# Altium PCB Control_Board.Pcbdoc (part 2 of 2)
Units mil, origin at the board's own origin, x right, y up, seen from the top; angles counter-clockwise.
Board outline 2965.03 x 3148.15 mil, 4 copper layers (Power, PGND, A_signal, Digital_signal), stack 23.756 mil thick; 180 components, 104 nets, 630 pads, 1414 vias.
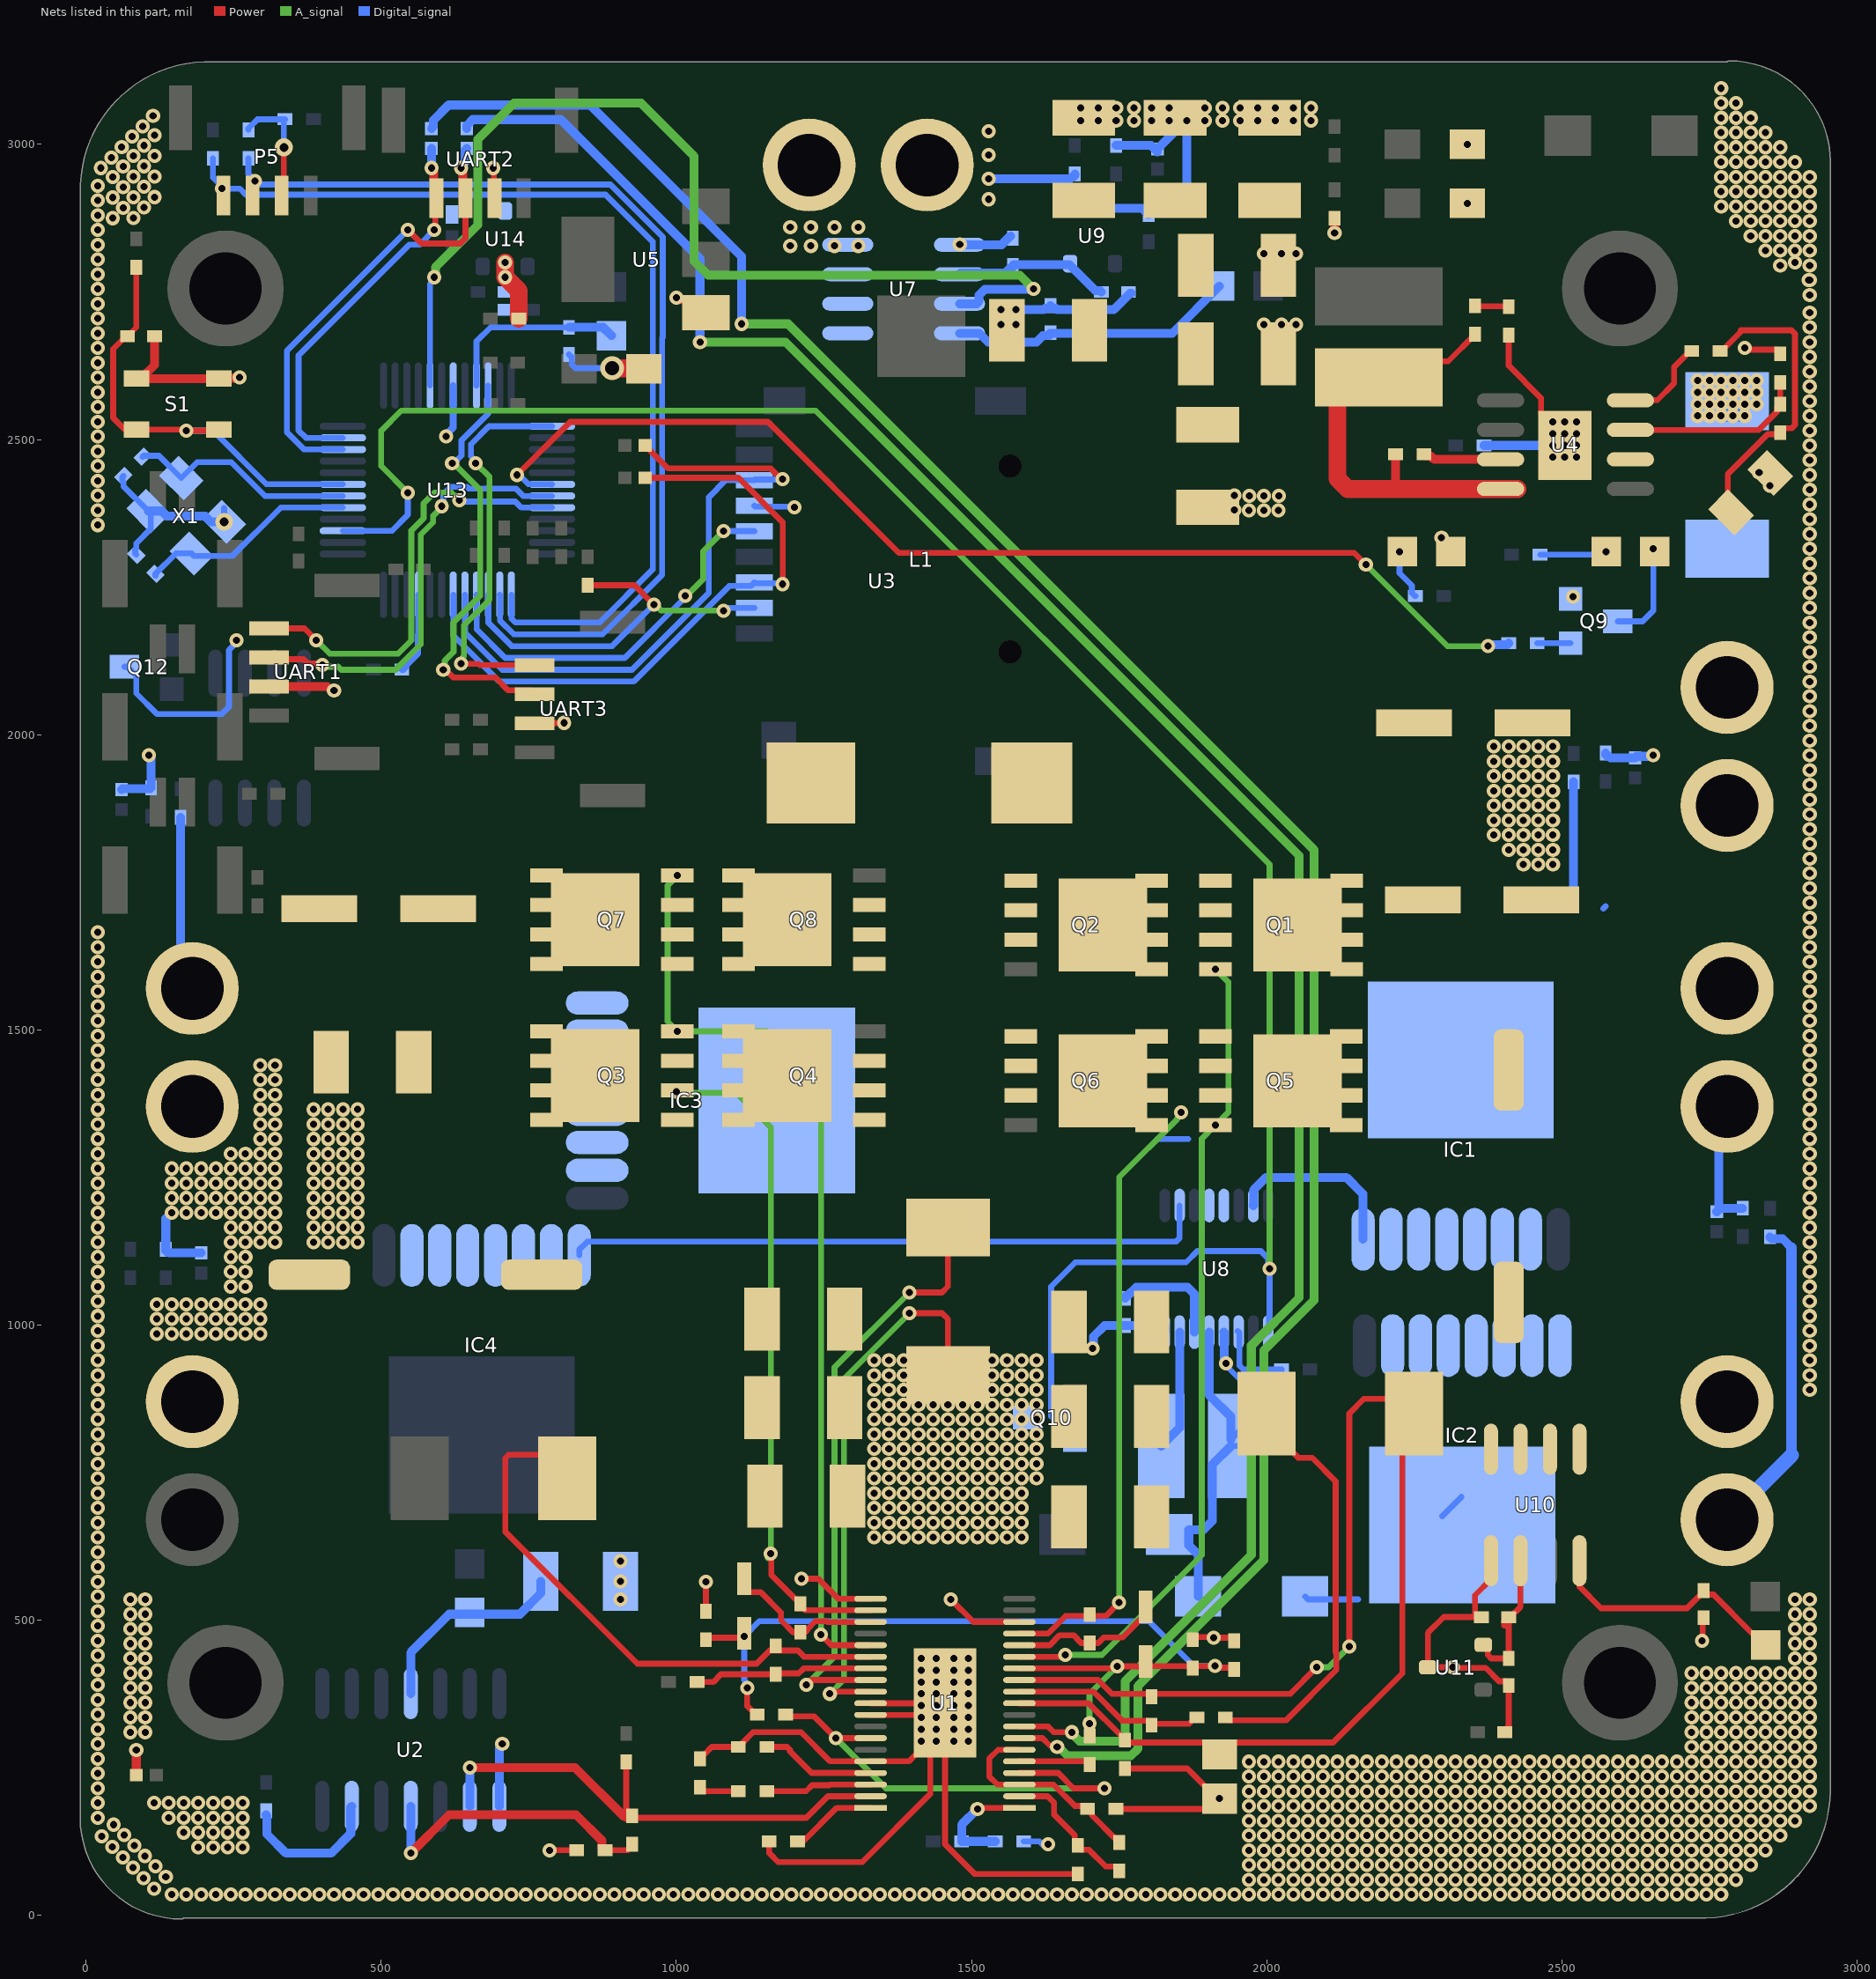
[diagram p4: the nets of this part, all layers, seen from the top]

## Via types
v1: diameter 24, hole 12, Power to Digital_signal, 1408 vias
v2: diameter 30, hole 15, Power to Digital_signal, 3 vias
v3: diameter 48, hole 32, Power to Digital_signal, 2 vias
v4: diameter 40, hole 24, Power to Digital_signal, 1 vias

## Nets (pads, with @x,y where several pads share a name; then routed paths per layer and width w, separated by ;. In a path a pad name is that pad's centre, name@x,y a point inside that pad or via, vN(x,y) a via of type N, cw(c..) or ccw(c..) an arc to the next point about the centre after c; other vN are vias at no path point) (continued)
GND: Battery_In.2 Boost_In.2 C2.1 C3.1 C4.1 C5.1 C6.1 C7.2 C11.1 C12.1 C13.2 C14.1 C15.1 C16.1 C17.1 C18.2 C19.2 C20.1 C21.1 C22.1 C23.2 C24.1 C25.2 C26.1 C27.1 C28.1 C30.2 C31.2 C32.2 C33.1 C34.2 C35.2 C36.2 C37.2 C39.1 C40.2 C41.1 C42.1 C43.1 C44.1 C45.1 C46.1 C47.1 C48.1 C49.1 C50.1 C51.1 C58.2 C59.1 C60.1 C61.1 C62.1 C63.2 C65.2 C66.1 C67.1 C68.1 C69.1 C70.1 C71.1 Cap.2 Chassis.2 Judge_In.2 LED3.2 P5.2 Q9.2 Q10.3 Q12.3 R2.1 R6.2 R8.1 R14.2 R17.1 R21.2 R27.2 R28.1 R29.1 R37.1 R47.1 R49.2 R51.2 R53.1 S1.1 To_Boost.2 U1.17 U1.20 U1.28 U1.29 U1.30 U1.34 U1.39 U2.1 U3.6 U4.9 U5.1 U7.5 U8.4 U8.8 U9.3 U10.5 U11.3 U13.19 U14.3 UART1.2 UART2.2 UART3.2 X1.2 X1.4 | length 8087.2
  Power w10: P5.2@331.26,2913.11 335,2916.85 v2(335,2995) ; v1(690,2960) 691,2959 691,2909.94 UART2.2@692.01,2908.93 ; UART3.2@760,2019.21 760.39,2019.61 809.61,2019.61 v1(810,2020) ; v1(785,110) R17.1@831.01,110 ; C4.1@1040,265 1040,267.5 1045,272.5 1047.5,272.5 1060,285 R8.1@1105,285 1107.5,285 1112.5,290 1112.5,292.5 1130,310 1211.26,310 1260.67,260.59 U1.34@1306.46,260.59 ; C41.1@1050,515 v1(1050,565) ; R2.1@1157.18,125 1157.18,105.32 1172.5,90 1315,90 1430,205 U1.39@1430,271.59 ; v1(1212,570) 1240,570 1273.82,536.18 U1.20@1329.02,536.18 ; v1(1260,375) 1263.79,375 1267.49,378.7 U1.28@1329.02,378.7 ; U1.34@1329.02,260.59 1393.7,260.59 1405.59,272.48 1406.85,272.48 U1.39@1430,295.63 ; U1.30@1329.02,339.33 U1.39@1434.33,339.33 ; U1.29@1329.02,359.02 U1.39@1421.22,359.02 ; v1(1395,1020) 1450,1020 1460,1010 R14.2@1460,915 ; U1.39@1422.2,360 U1.39@1421.22,359.02 ; U1.39@1423.95,339.33 U1.39@1421.22,359.02 ; U1.39@1433.33,271.59 1433.33,294.63 U1.39@1434.33,295.63 ; U1.39@1454.02,359.02 U1.39@1455,360 1455,120 1505,70 C3.1@1680,70 ; v1(1465,535) 1503.19,496.81 U1.17@1580.98,496.81 ; C2.1@1744.68,180 1896.06,180 1897.26,178.8 C6.1@1916.06,197.6 ; C5.1@1760,248.41 1865.25,248.41 C6.1@1916.06,197.6 ; C12.1@1875,471 v1@1910,471 ; v1(1910,470) 1940.16,470 1945,465.16 C11.1@1945,464.68 ; v1(1920,197.6) C6.1@1916.06,197.6 ; C62.1@2364,505 C62.1@2353,505 ; U10.5@2380,600.51 2380,569.02 2353,542.02 C62.1@2353,505 ; C60.1@2401,310 C60.1@2403.5,310 2408.5,315 2408.5,319.36 2410,320.86 C61.1@2410,389 ; C61.1@2410,391.36 2405,396.36 2393.64,396.36 2371,419 2316,419 v1(2315,420) U11.3@2273,420 2273,478 2300,505 C62.1@2353,505 ; C33.1@2410,2676.8 2410,2625.17 2464.72,2570.45 2464.72,2543.86 2478.58,2530 v1(2485,2530) ; U4.9@2478.58,2490 v1(2485,2490) ; v1(2737.5,465) 2738.75,466.25 2738.75,502.75 C59.1@2740,504 ; v1(2810,2655) 2812.68,2652.32 2865,2652.32 2870,2647.32 C35.2@2870,2645
  Power w15: R53.1@84.99,240.01 v1(85,280) ; S1.1@85.12,2603.3 S1.1@92.99,2603.3 ; C27.1@116,2675 116,2626.31 S1.1@92.99,2603.3 ; v1(260,2605) 259.15,2604.15 225.73,2604.15 S1.1@224.88,2603.3 S1.1@92.99,2603.3 ; UART1.2@310,2081.57 408.43,2081.57 415,2075 v1(420,2075) ; v1(1000,2740) 1002.44,2740 1004.94,2737.5 1027.5,2737.5 U5.1@1050,2715 ; v1(1575,2695) 1570,2700 1575,2705 v1(1575,2720) ; v1(2115,2850) R37.1@2115,2875
  Power w30: v1(710,2800) v1(710,2775) 733.15,2751.85 R28.1@733.15,2704.68 ; v4(891,2621) 891.5,2620.5 944.5,2620.5 C37.2@945,2620
  A_signal w10: v1(1260,375) 1284,399 1284,909 v1(1395,1020)
  Digital_signal w10: C25.2@63.18,2438.18 61.41,2436.41 61.41,2429.34 63.18,2427.57 63.18,2420.96 X1.2@105.3,2378.84 109.48,2374.66 109.48,2348.33 85,2323.85 85,2315.61 83.23,2313.84 83.23,2306.77 C23.2@85,2305 ; Q12.3@65,2115 70,2115 85,2100 85,2070 120,2035 230,2035 242,2047 242,2143.21 255,2156.21 v1(255,2160) ; v2(233.99,2360.45) X1.4@233.99,2383.97 ; R29.1@275,3024.69 275,3027.19 290.32,3042.5 C26.1@336.97,3042.5 335,3040.53 v2(335,2995) ; C36.2@818,2644 823,2639 823,2626.86 828.86,2621 v4(891,2621) ; U3.6@1132.09,2387.95 1133.55,2386.49 1198.74,2386.49 v1(1200.2,2385.02) ; R47.1@1588.2,125 1615,125 1620,120 v1(1630,120) ; C69.1@1811.85,2990.7 1813.66,2990.7 C69.1@1815,2992.04 ; v1@1933.66,928.54 1959.07,903.14 2000.36,903.14 2030,873.5 C47.1@2030,871 ; To_Boost.2@2768.19,1358.19 2768.19,1197.74 C66.1@2768.46,1197.74
  Digital_signal w12: v1(610,2505) 610,2508.25 622.01,2520.25 U13.19@622.01,2591.38
  Digital_signal w15: C71.1@60,1907.04 61.48,1908.52 108.52,1908.52 R51.2@107.5,1909.54 ; X1.2@105.3,2378.84 128.1,2378.84 136.94,2370 201.65,2370 211.19,2360.45 v2(233.99,2360.45) ; v1(106,1965) 106,1962.56 110,1958.56 R51.2@110,1910 ; v1(145,1190) 135,1180 R6.2@135,1128.2 135,1125.7 137.5,1123.2 140,1123.2 141.16,1122.04 C68.1@195,1122.04 ; U2.1@700,184.53 700,282.56 705,287.56 v1(705,290) ; v1(1480.11,2830.62) U7.5@1479.49,2830 1551,2830 C45.1@1566,2845 ; v1(1575,2720) 1622.46,2720 1624.46,2722 1631.25,2722 1633.75,2724.5 C43.1@1633.75,2727 ; C43.1@1635,2726 1635,2723.25 1636.25,2722 1643.04,2722 1645.04,2720 1741.07,2720 1768.57,2747.5 C46.1@1771,2747.5 ; v1(1705,960) 1706.72,961.72 1706.72,980.32 1725.4,999 C48.1@1760,999 1826.25,999 1827.5,997.75 U8.8@1827.5,987.72 ; U9.3@1705,2892 1788.71,2892 1794.71,2886 1797.5,2886 C44.1@1800,2883.5 ; R27.2@1745,2998.2 1804.35,2998.2 1811.85,2990.7 C69.1@1815,2987.55 ; C44.1@1800,2881 C44.1@1800,2883.5 ; C69.1@1815,2992.04 1815,2992.55 1860.73,3038.28 1863.28,3038.28 v1(1865,3040) ; v1@1864.51,3036.55 1864.51,2904.29 1846.21,2886 1802.5,2886 C44.1@1800,2883.5 ; U8.4@1927.5,987.72 1928.02,987.2 1928.02,940.39 1930.98,937.44 v1(1930.98,935) ; C34.2@2368.2,2490 2462.56,2490 2482.56,2510 v1(2485,2510) ; R49.2@2574.15,1968.78 2574.15,1966.28 2576.65,1963.78 2579.15,1963.78 2582.11,1960.82 C70.1@2624.15,1960.82 2626.6,1963.28 2653.28,1963.28 v1(2655,1965) ; C66.1@2762.56,1191.84 2765.69,1194.97 2765.69,1355.69 2768.19,1358.19 To_Boost.2@2780,1370 ; C66.1@2768.46,1197.74 R21.2@2806.45,1197.74
  other v1: 145,35 170,35 195,35 220,35 245,35 270,35 295,35 320,35 345,35 370,35 395,35 420,35 445,35 470,35 495,35 520,35 545,35 570,35 595,35 620,35 645,35 670,35 695,35 720,35 745,35 770,35 795,35 820,35 845,35 870,35 895,35 920,35 945,35 970,35 995,35 1020,35 1045,35 1070,35 1095,35 1120,35 1145,35 1170,35 1195,35 1220,35 1245,35 1270,35 1295,35 1320,35 1345,35 1370,35 1395,35 1420,35 1445,35 1470,35 1495,35 1520,35 1545,35 1570,35 1595,35 1620,35 1645,35 1670,35 1695,35 1720,35 1745,35 1770,35 1795,35 1820,35 1845,35 1870,35 1895,35 1920,35 1945,35 1970,35 1995,35 2020,35 2045,35 2070,35 2095,35 2120,35 2145,35 2170,35 2195,35 2220,35 2245,35 2270,35 2295,35 2320,35 2345,35 2370,35 2395,35 2420,35 2445,35 2470,35 2495,35 2520,35 2545,35 2570,35 2595,35 2620,35 2645,35 2670,35 2695,35 2720,35 2745,35 2770,35 115,45 1970,60 1995,60 2020,60 2045,60 2070,60 2095,60 2120,60 2145,60 2170,60 2195,60 2220,60 2245,60 2270,60 2295,60 2320,60 2345,60 2370,60 2395,60 2420,60 2445,60 2470,60 2495,60 2520,60 2545,60 2570,60 2595,60 2620,60 2645,60 2670,60 2695,60 2720,60 2745,60 2770,60 2795,60 97.32,62.68 135,65 79.64,80.36 117.32,82.68 1970,85 1995,85 2020,85 2045,85 2070,85 2095,85 2120,85 2145,85 2170,85 2195,85 2220,85 2245,85 2270,85 2295,85 2320,85 2345,85 2370,85 2395,85 2420,85 2445,85 2470,85 2495,85 2520,85 2545,85 2570,85 2595,85 2620,85 2645,85 2670,85 2695,85 2720,85 2745,85 2770,85 2795,85 2820,85 61.97,98.03 99.64,100.36 1970,110 1995,110 2020,110 2045,110 2070,110 2095,110 2120,110 2145,110 2170,110 2195,110 2220,110 2245,110 2270,110 2295,110 2320,110 2345,110 2370,110 2395,110 2420,110 2445,110 2470,110 2495,110 2520,110 2545,110 2570,110 2595,110 2620,110 2645,110 2670,110 2695,110 2720,110 2745,110 2770,110 2795,110 2820,110 2845,110 190,115 215,115 240,115 265,115 44.29,115.71 81.97,118.03 26.61,133.39 1970,135 1995,135 2020,135 2045,135 2070,135 2095,135 2120,135 2145,135 2170,135 2195,135 2220,135 2245,135 2270,135 2295,135 2320,135 2345,135 2370,135 2395,135 2420,135 2445,135 2470,135 2495,135 2520,135 2545,135 2570,135 2595,135 2620,135 2645,135 2670,135 2695,135 2720,135 2745,135 2770,135 2795,135 2820,135 2845,135 2870,135 64.29,135.71 165,140 190,140 215,140 240,140 265,140 46.61,153.39 1970,160 1995,160 2020,160 2045,160 2070,160 2095,160 2120,160 2145,160 2170,160 2195,160 2220,160 2245,160 2270,160 2295,160 2320,160 2345,160 2370,160 2395,160 2420,160 2445,160 2470,160 2495,160 2520,160 2545,160 2570,160 2595,160 2620,160 2645,160 2670,160 2695,160 2720,160 2745,160 2770,160 2795,160 2820,160 2845,160 2870,160 2895,160 20,165 140,165 165,165 190,165 215,165 240,165 265,165 1970,185 1995,185 2020,185 2045,185 2070,185 2095,185 2120,185 2145,185 2170,185 2195,185 2220,185 2245,185 2270,185 2295,185 2320,185 2345,185 2370,185 2395,185 2420,185 2445,185 2470,185 2495,185 2520,185 2545,185 2570,185 2595,185 2620,185 2645,185 2670,185 2695,185 2720,185 2745,185 2770,185 2795,185 2820,185 2845,185 2870,185 2895,185 2920,185 20,190 115,190 140,190 165,190 190,190 215,190 240,190 265,190 1970,210 1995,210 2020,210 2045,210 2070,210 2095,210 2120,210 2145,210 2170,210 2195,210 2220,210 2245,210 2270,210 2295,210 2320,210 2345,210 2370,210 2395,210 2420,210 2445,210 2470,210 2495,210 2520,210 2545,210 2570,210 2595,210 2620,210 2645,210 2670,210 2695,210 2720,210 2745,210 2770,210 2795,210 2820,210 2845,210 2870,210 2895,210 2920,210 20,215 1970,235 1995,235 2020,235 2045,235 2070,235 2095,235 2120,235 2145,235 2170,235 2195,235 2220,235 2245,235 2270,235 2295,235 2320,235 2345,235 2370,235 2395,235 2420,235 2445,235 2470,235 2495,235 2520,235 2545,235 2570,235 2595,235 2620,235 2645,235 2670,235 2695,235 2720,235 2745,235 2770,235 2795,235 2820,235 2845,235 2870,235 2895,235 2920,235 20,240 1970,260 1995,260 2020,260 2045,260 2070,260 2095,260 2120,260 2145,260 2170,260 2195,260 2220,260 2245,260 2270,260 2295,260 2320,260 2345,260 2370,260 2395,260 2420,260 2445,260 2470,260 2495,260 2520,260 2545,260 2570,260 2595,260 2620,260 2645,260 2670,260 2695,260 2720,260 2745,260 2770,260 2795,260 2820,260 2845,260 2870,260 2895,260 2920,260 20,265 2720,285 2745,285 2770,285 2795,285 2820,285 2845,285 2870,285 2895,285 2920,285 20,290 1415,295 1440,295 1470,295 1495,295 75,310 100,310 2720,310 2745,310 2770,310 2795,310 2820,310 2845,310 2870,310 2895,310 2920,310 20,315 1415,315 1440,315 1470,315 1495,315 75,335 100,335 1415,335 1440,335 1470,335 1495,335 2720,335 2745,335 2770,335 2795,335 2820,335 2845,335 2870,335 2895,335 2920,335 20,340 1415,355 1440,355 1470,355 1495,355 75,360 100,360 2720,360 2745,360 2770,360 2795,360 2820,360 2845,360 2870,360 2895,360 2920,360 20,365 1415,375 1440,375 1470,375 1495,375 75,385 100,385 2720,385 2745,385 2770,385 2795,385 2820,385 2845,385 2870,385 2895,385 2920,385 20,390 1415,395 1440,395 1470,395 1495,395 75,410 100,410 2720,410 2745,410 2770,410 2795,410 2820,410 2845,410 2870,410 2895,410 2920,410 20,415 1415,415 1440,415 1470,415 1495,415 75,435 100,435 1415,435 1440,435 1470,435 1495,435 2895,435 2920,435 20,440 75,460 100,460 2895,460 2920,460 20,465 75,485 100,485 2895,485 2920,485 20,490 75,510 100,510 2895,510 2920,510 20,515 75,535 100,535 905,535 2895,535 2920,535 20,540 20,565 905.2,565.32 20,590 905,600 20,615 20,640 1335,640 1360,640 1385,640 1410,640 1435,640 1460,640 1485,640 1510,640 1535,640 1560,640 1585,640 20,665 1335,665 1360,665 1385,665 1410,665 1435,665 1460,665 1485,665 1510,665 1535,665 1560,665 1585,665 20,690 1335,690 1360,690 1385,690 1410,690 1435,690 1460,690 1485,690 1510,690 1535,690 1560,690 1585,690 20,715 1335,715 1360,715 1385,715 1410,715 1435,715 1460,715 1485,715 1510,715 1535,715 1560,715 1585,715 20,740 1335,740 1360,740 1385,740 1410,740 1435,740 1460,740 1485,740 1510,740 1535,740 1560,740 1585,740 1610,740 20,765 1335,765 1360,765 1385,765 1410,765 1435,765 1460,765 1485,765 1510,765 1535,765 1560,765 1585,765 1610,765 20,790 1335,790 1360,790 1385,790 1410,790 1435,790 1460,790 1485,790 1510,790 1535,790 1560,790 1585,790 1610,790 20,815 1335,815 1360,815 1385,815 1410,815 1435,815 1460,815 1485,815 1510,815 1535,815 1560,815 1585,815 1610,815 20,840 1335,840 1360,840 1385,840 1410,840 1435,840 1460,840 1485,840 1510,840 1535,840 1560,840 1585,840 1610,840 20,865 1335,865 1360,865 1385,865 1410,865 1435,865 1460,865 1485,865 1510,865 1535,865 1560,865 1585,865 1610,865 20,890 1335,890 1360,890 1385,890 1535,890 1560,890 1585,890 1610,890 2920,890 20,915 1335,915 1360,915 1385,915 1535,915 1560,915 1585,915 1610,915 2920,915 20,940 1335,940 1360,940 1385,940 1535,940 1560,940 1585,940 1610,940 2920,940 20,965 2920,965 120,985 145,985 170,985 195,985 220,985 245,985 270,985 295,985 20,990 2920,990 120,1010 145,1010 170,1010 195,1010 220,1010 245,1010 270,1010 295,1010 20,1015 2920,1015 120,1035 145,1035 170,1035 195,1035 220,1035 245,1035 270,1035 295,1035 20,1040 2920,1040 20,1065 245,1065 270,1065 2920,1065 20,1090 245,1090 270,1090 2920,1090 20,1115 245,1115 270,1115 2920,1115 20,1140 245,1140 270,1140 295,1140 320,1140 385,1140 410,1140 435,1140 460,1140 2920,1140 20,1165 245,1165 270,1165 295,1165 320,1165 385,1165 410,1165 435,1165 460,1165 2920,1165 20,1190 170,1190 195,1190 220,1190 245,1190 270,1190 295,1190 320,1190 385,1190 410,1190 435,1190 460,1190 2920,1190 20,1215 145,1215 170,1215 195,1215 220,1215 245,1215 270,1215 295,1215 320,1215 385,1215 410,1215 435,1215 460,1215 2920,1215 20,1240 145,1240 170,1240 195,1240 220,1240 245,1240 270,1240 295,1240 320,1240 385,1240 410,1240 435,1240 460,1240 2920,1240 20,1265 145,1265 170,1265 195,1265 220,1265 245,1265 270,1265 295,1265 320,1265 385,1265 410,1265 435,1265 460,1265 2920,1265 20,1290 245,1290 270,1290 295,1290 320,1290 385,1290 410,1290 435,1290 460,1290 2920,1290 20,1315 295,1315 320,1315 385,1315 410,1315 435,1315 460,1315 2920,1315 20,1340 295,1340 320,1340 385,1340 410,1340 435,1340 460,1340 2920,1340 20,1365 295,1365 320,1365 385,1365 410,1365 435,1365 460,1365 2920,1365 20,1390 295,1390 320,1390 2920,1390 20,1415 295,1415 320,1415 2920,1415 20,1440 295,1440 320,1440 2920,1440 20,1465 2920,1465 20,1490 2920,1490 20,1515 2920,1515 20,1540 2920,1540 20,1565 2920,1565 20,1590 2920,1590 20,1615 2920,1615 20,1640 2920,1640 20,1665 2920,1665 2920,1690 2920,1715 2920,1740 2920,1765 2435,1780 2460,1780 2485,1780 2920,1790 2410,1805 2435,1805 2460,1805 2485,1805 2920,1815 2385,1830 2410,1830 2435,1830 2460,1830 2485,1830 2920,1840 2385,1855 2410,1855 2435,1855 2460,1855 2485,1855 2920,1865 2385,1880 2410,1880 2435,1880 2460,1880 2485,1880 2920,1890 2385,1905 2410,1905 2435,1905 2460,1905 2485,1905 2920,1915 2385,1930 2410,1930 2435,1930 2460,1930 2485,1930 2920,1940 2385,1955 2410,1955 2435,1955 2460,1955 2485,1955 2920,1965 2385,1980 2410,1980 2435,1980 2460,1980 2485,1980 2920,1990 2920,2015 2920,2040 2920,2065 2920,2090 2920,2115 2920,2140 2920,2165 2920,2190 2920,2215 2518.76,2233.76 2920,2240 2920,2265 2920,2290 2920,2315 2296.24,2333.76 2920,2340 20,2355 2920,2365 20,2380 1970,2380 1995,2380 2020,2380 1945.53,2380.53 2920,2390 1970.53,2404.47 1995.53,2404.47 2020.53,2404.47 20,2405 1945.53,2405 2920,2415 2852.17,2421.67 20,2430 2920,2440 2834.17,2444.17 20,2455 2920,2465 2485,2470 2505,2470 2525,2470 20,2480 2505,2490 2525,2490 2920,2490 20,2505 2505,2510 2525,2510 2920,2515 20,2530 2505,2530 2525,2530 2920,2540 20,2555 2920,2565 20,2580 2920,2590 20,2605 2920,2615 20,2630 2920,2640 20,2655 2920,2665 20,2680 2920,2690 1550,2695 1995,2695 2025,2695 2050,2695 20,2705 2920,2715 1550,2720 20,2730 2920,2745 20,2755 2918,2770 2920,2770 20,2780 2870,2795 2920,2795 2895,2799.8 20,2805 1995,2815 2025,2815 2050,2815 2845,2820 2870,2820 2895,2820 2920,2820 20,2830 2820,2845 2845,2845 2870,2845 2895,2845 2920,2845 20,2855 2795,2870 2820,2870 2845,2870 2870,2870 2895,2870 2920,2870 45,2875 80.36,2875.36 20,2880 62.68,2892.68 98.03,2893.03 2770,2895 2795,2895 2820,2895 2845,2895 2870,2895 2895,2895 2920,2895 2340,2900 20,2905 45,2910 80.36,2910.36 115.71,2910.71 2770,2920 2795,2920 2820,2920 2845,2920 2870,2920 2895,2920 2920,2920 62.68,2927.68 98.03,2928.03 20,2930 45,2945 80.36,2945.36 2770,2945 2795,2945 2820,2945 2845,2945 2870,2945 2895,2945 2920,2945 115.71,2945.71 25,2960 62.68,2962.68 98.03,2963.03 2770,2970 2795,2970 2820,2970 2845,2970 2870,2970 2895,2970 42.68,2977.68 80.36,2980.36 115.71,2980.71 60.36,2995.36 2770,2995 2795,2995 2820,2995 2845,2995 2870,2995 98.03,2998.03 2340,3000 78.03,3013.03 115.71,3015.71 2770,3020 2795,3020 2820,3020 2845,3020 95.71,3030.71 1685,3040 1715,3040 1745,3040 1775,3040 1805,3040 1835,3040 1895,3040 1925,3040 1955,3040 1985,3040 2015,3040 2045,3040 2075,3040 2770,3045 2795,3045 2820,3045 113.39,3048.39 1685,3062 1715,3062 1745,3062 1775,3062 1805,3062 1835,3062 1895,3062 1925,3062 1955,3062 1985,3062 2015,3062 2045,3062 2075,3062 2770,3070 2795,3070 2770,3095
INTVCC: C11.2 C12.2 C41.2 D1.1 D2.1 R3.1 R9.2 U1.13 | length 1572.6
  Power w10: C41.2@1050,466.8 1053.2,470 D2.1@1115,470 ; v1(1120,385) 1120,354.3 1134.3,340 R9.2@1136.8,340 ; U1.13@1580.98,418.07 1659.4,418.07 1687.84,418.07 1743.07,418.07 v1(1746.53,421.54) 1782.61,421.54 1784.14,420 D1.1@1795,430.86 ; R3.1@1699.97,300.33 v1@1699.97,324.9 ; D1.1@1795,430 1802.97,422.03 v1(1912.5,422.03) 1915.18,419.35 1945,419.35 1950,414.35 C11.2@1950,413.2
  A_signal w10: v1(1699.93,324.93) 1699.93,374.93 v1(1746.53,421.54)
  Digital_signal w10: v1(1120,385) 1117.32,387.68 1117.32,395.54 1115,397.86 v1(1115,472.48) 1140.52,498 1800.73,498 1876.7,422.03 v1(1912.5,422.03)
ISP: C8.2 C13.1 C14.2 C15.2 C16.2 C17.2 C40.1 Q3.2 Q7.2 R15.1 U1.25 | length 909.2
  Power w10: R15.1@767.23,780 715.86,780 710,774.14 710,650 934,426 1135.98,426 1158.28,448.3 1168.5,448.3 1205.91,448.3 1216.46,437.76 U1.25@1329.02,437.76
IVINN: C18.1 C19.1 C21.2 C22.2 C39.2 Q1.2 Q5.2 R1.1 R10.2 | length 722.7
  Power w10: R1.1@1930,335 1935,330 2032.53,330 2118,415.47 2118,444.47 2117,445.47 2117,735 2077,775 2053.35,775 2000,828.35 R10.2@2000,850
Judge_Power: Q10.2 U8.1 U13.3 | length 3606.1
  A_signal w10: v1(545,2410) 500,2455 500,2515 534,2549 1236,2549 2005,1780 v1(2005,1095)